# Altium PCB IMX6 DEV BOARD.PcbDoc (part 9 of 12)
Units mm, origin at the board's own origin, x right, y up, seen from the top; angles counter-clockwise.
Board outline 72.05 x 100.23 mm, 8 copper layers (Top Layer, GND 1, Inner 2, PWR 1, PWR 2, Inner 5, GND2, Bottom Layer), stack 1.463 mm thick; 691 components, 568 nets, 3028 pads, 1624 vias.
Unrouted connection lines stored in the file: 1.
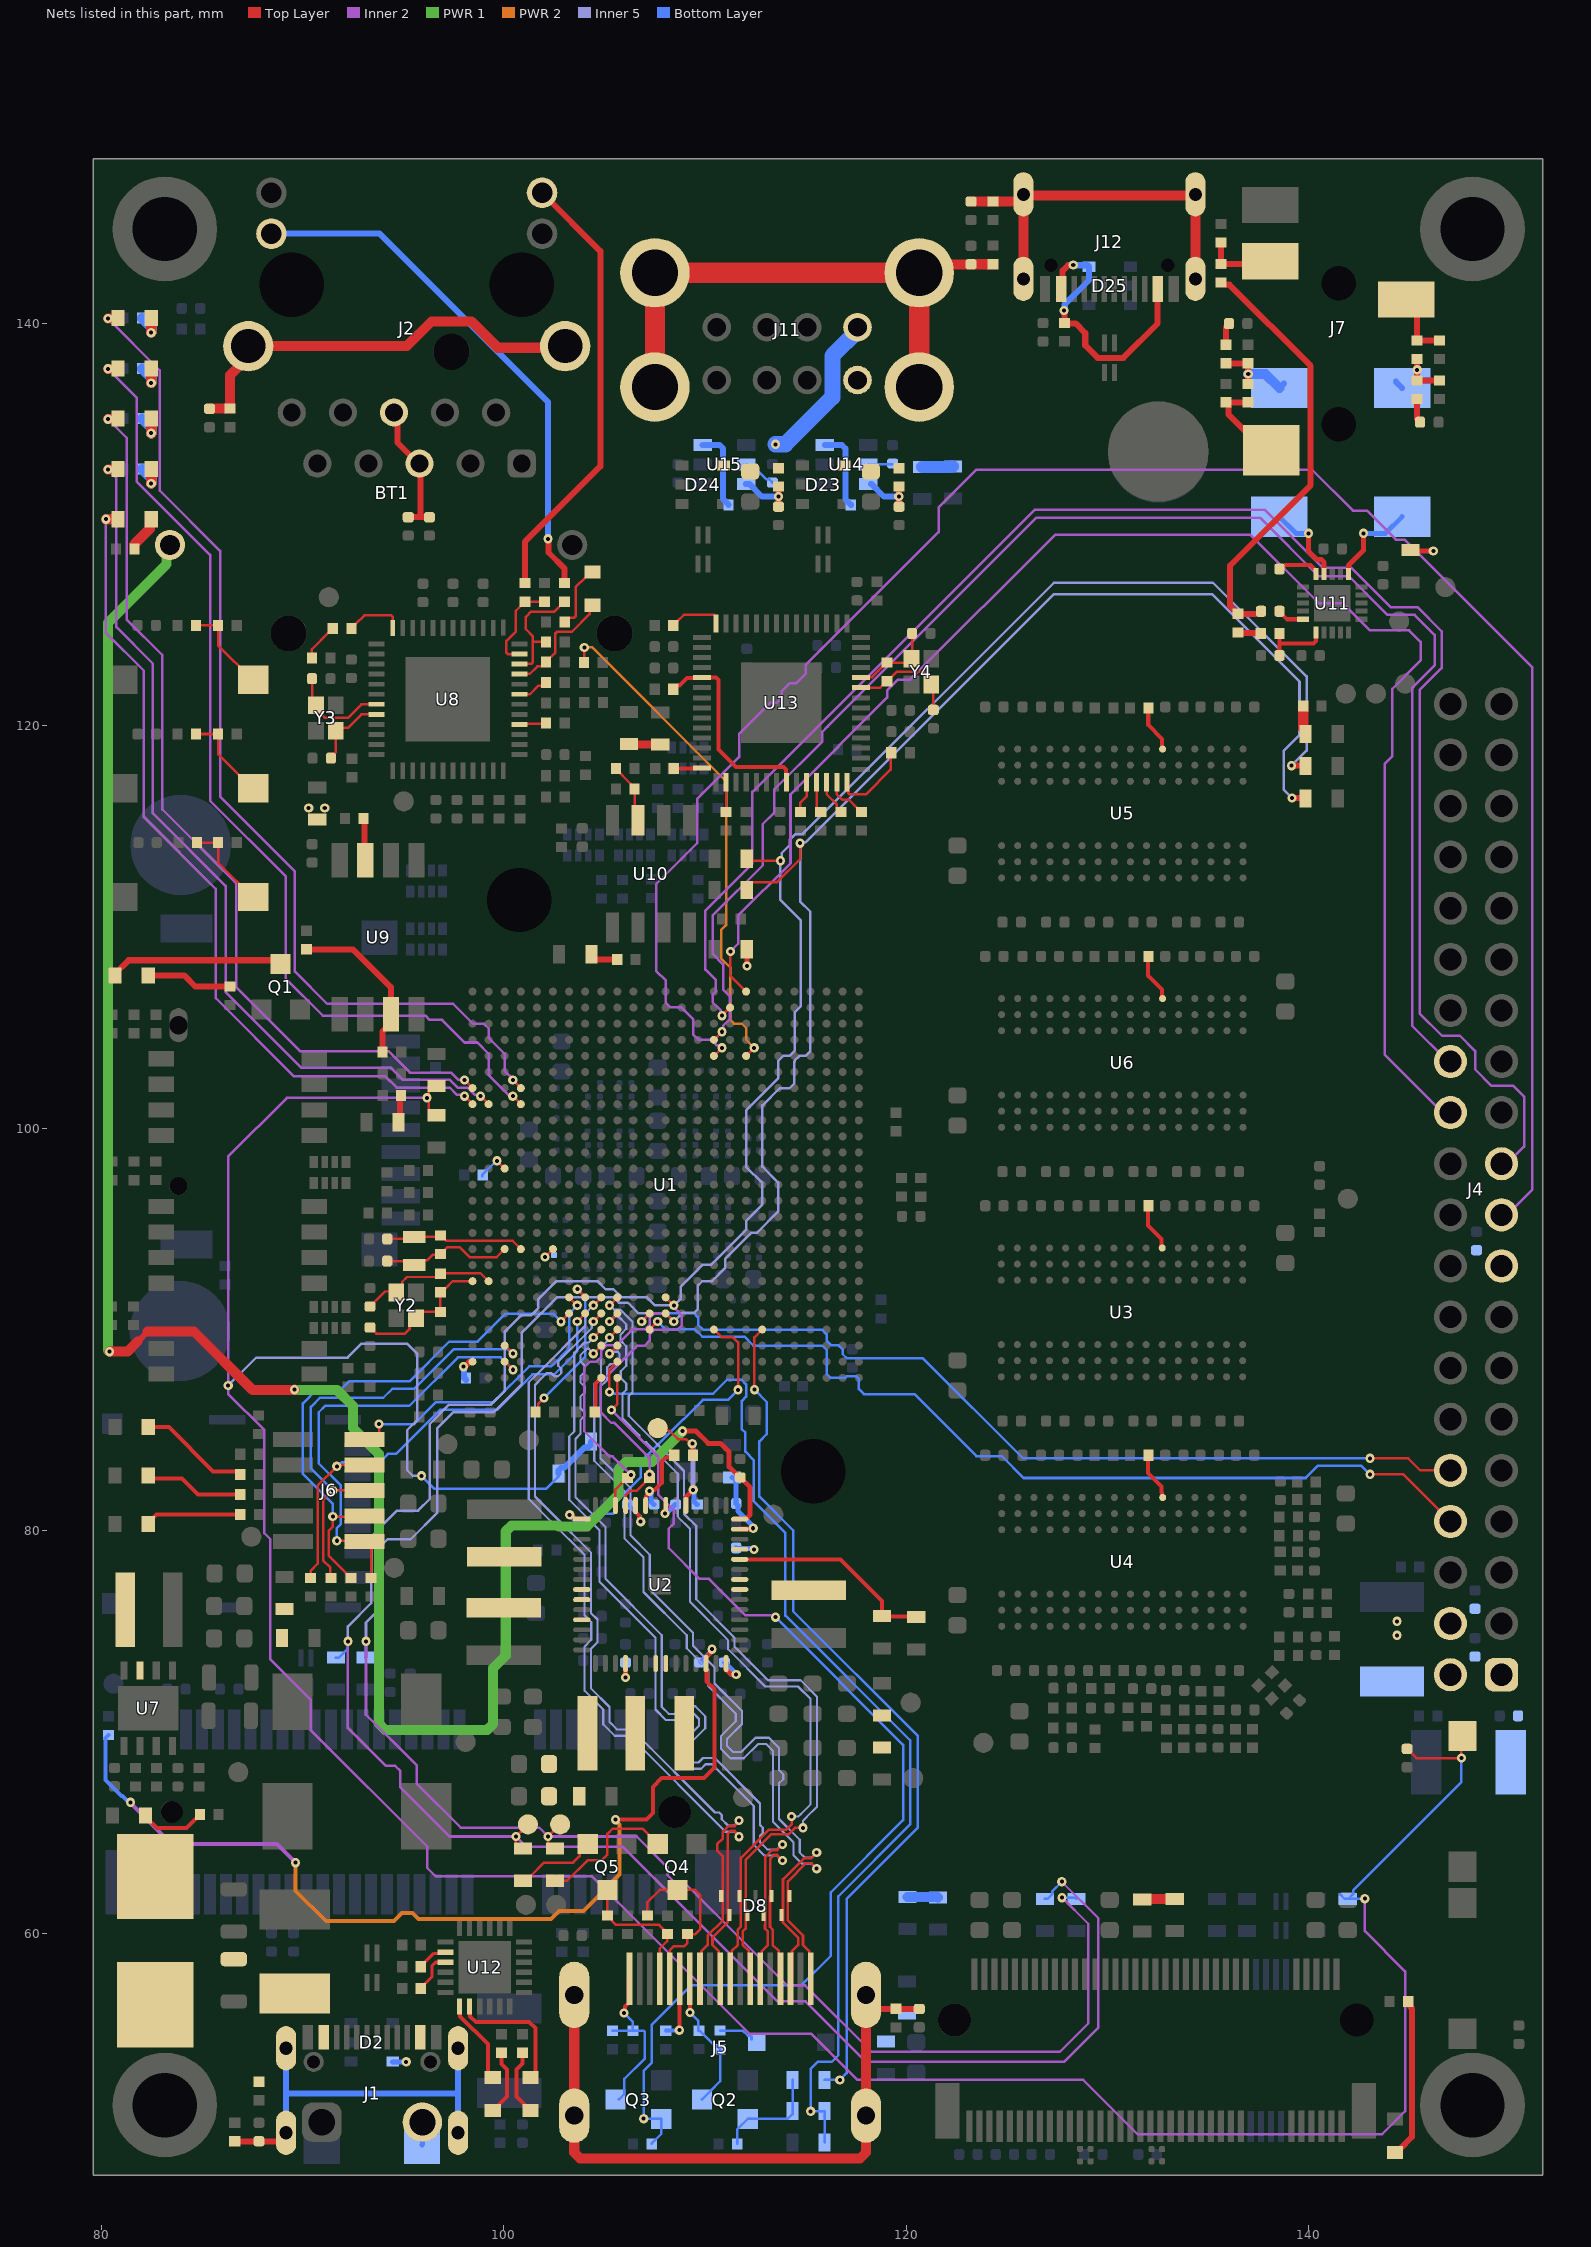
[diagram p15: the nets of this part, all layers, seen from the top]

## Via types
v1: diameter 0.46, hole 0.2, Top Layer to Bottom Layer, tented both sides, 1586 vias
v2: diameter 0.7, hole 0.4, Top Layer to Bottom Layer, 32 vias
v3: diameter 0.46, hole 0.2, Top Layer to Bottom Layer, tented bottom, 6 vias

## Nets (pads, with @x,y where several pads share a name; then routed paths per layer and width w, separated by ;. In a path a pad name is that pad's centre, name@x,y a point inside that pad or via, vN(x,y) a via of type N, cw(c..) or ccw(c..) an arc to the next point about the centre after c; other vN are vias at no path point) (continued)
GPIO_SPI_CS0: J4.24 U1.V25 | length 76.4
  Top Layer w0.125: v1(111.265,108.79) 111.265,107.579 U1.V25@112.044,106.8
  Inner 2 w0.125: v1(111.265,108.79) 111.65,109.175 111.65,110.568 114.25,113.168 114.25,116.6 119.056,121.406 119.056,121.757 119.598,122.3 120.2,122.3 127.4,129.5 137.113,129.5 140.505,126.107 141.698,126.107 143.056,124.749 145.001,124.749 145.574,124.176 145.574,123.263 144.162,121.851 144.162,118.497 143.796,118.131 143.796,103.654 146.407,101.043 147.062,101.043 J4.24@147.325,100.78
GPIO_SPI_CS1: J4.26 U1.T22 | length 77.9
  Top Layer w0.125: U1.T22@110.444,104.4 v1(110.844,104.8)
  Inner 2 w0.125: v1(110.844,104.8) 110.908,104.864 110.908,105.103 111.243,105.437 111.243,106.563 110.903,106.902 110.903,108.152 110.397,108.658 110.397,110.599 112.871,113.073 112.871,115.121 113.45,115.7 113.45,116.853 115.832,119.235 115.832,119.713 116.092,119.972 126.457,130.337 137.601,130.337 140.498,127.441 142.009,127.441 143.929,125.521 145.273,125.521 146.27,124.524 146.27,123.005 145.151,121.886 145.151,105.099 J4.26@146.93,103.32
GPIO_SPI_MISO: J4.21 U1.U24 | length 86.3
  Top Layer w0.125: v1(110.85,105.6) 110.85,105.603 111.244,105.997 U1.U24@111.244,106
  Inner 2 w0.125: v1(110.85,105.6) 110.786,105.664 110.786,105.855 110.375,106.267 110.375,106.645 110.542,106.812 110.542,107.366 110.019,107.889 110.019,110.822 112.357,113.161 112.357,116.718 126.382,130.743 137.831,130.743 140.714,127.859 142.133,127.859 144.104,125.888 145.437,125.888 146.618,124.708 146.618,122.872 145.522,121.777 145.522,105.711 146.634,104.6 147.523,104.6 148.274,103.848 148.274,102.935 149.099,102.11 150.184,102.11 150.714,101.58 150.714,99.089 J4.21@149.865,98.24
GPIO_SPI_MOSI: J4.19 U1.T21 | length 97.8
  Top Layer w0.125: U1.T21@110.444,103.6 v1(110.844,104)
  Inner 2 w0.125: v1(110.844,104) 110.753,104 110.621,104.132 110.567,104.132 110.292,104.408 109.671,104.408 109.407,104.672 109.407,105.431 108.831,106.007 108.282,106.007 108.051,106.237 108.051,107.348 107.575,107.824 107.575,112.132 109.611,114.168 109.611,116.363 111.7,118.451 111.7,119.605 113.237,121.143 113.548,121.143 113.808,121.402 113.808,121.713 114.226,122.131 114.543,122.131 115.001,122.589 115.001,123.03 121.607,129.637 121.607,130.855 123.492,132.74 140.16,132.74 142.2,130.7 142.9,130.7 144.338,129.262 144.762,129.262 151.123,122.901 151.123,96.958 J4.19@149.865,95.7
GPIO_UART_RxD: J4.10 U1.M5 | length 44.8
  Top Layer w0.125: v1(106.85,90.4) 106.85,90.403 107.244,90.797 U1.M5@107.244,90.8 ; v1@142.937,83.6 v1(143.05,83.6) 144.95,83.6 145.55,83 J4.10@147.05,83
  Bottom Layer w0.125: v1(106.85,90.4) 107.257,90.807 108.613,90.807 108.623,90.818 109.444,90.818 109.657,90.605 109.657,90.237 109.904,89.991 113.086,89.991 113.087,89.993 115.807,89.993 116.044,89.755 116.044,89.445 116.281,89.208 116.642,89.208 116.848,89.002 116.848,88.77 117.05,88.568 120.832,88.568 125.8,83.6 126.096,83.6 126.098,83.601 137.023,83.601 137.024,83.6 v1(143.05,83.6)
GPIO_UART_TxD: J4.8 U1.M4 | length 45.5
  Top Layer w0.125: U1.M4@107.244,90 107.247,90 107.647,90.4 v1(107.65,90.4) ; v1@143.183,82.8 144.71,82.8 J4.8@147.05,80.46
  Bottom Layer w0.125: v1(107.65,90.4) 108.043,90.008 108.613,90.008 108.623,90.018 109.489,90.018 109.862,89.644 111.956,89.644 112.4,89.2 115.83,89.2 116.051,88.978 116.051,87.793 116.241,87.603 116.98,87.603 117.057,87.68 117.506,87.68 117.651,87.535 117.651,87.037 117.896,86.793 120.407,86.793 123.493,83.707 124.751,83.707 125.839,82.619 128.095,82.619 139.854,82.619 140.469,83.234 142.616,83.234 v1(143.05,82.8)
HDMI_CEC: R115.1 U1.W4 | length 43.5
  Top Layer w0.125: v1(112.455,87.012) 112.455,89.611 U1.W4@112.844,90
  Bottom Layer w0.125: v1(112.455,87.012) 113.071,86.396 113.071,84.797 112.708,84.435 112.708,81.692 114.386,80.014 114.386,75.991 120.566,69.811 120.566,65.226 117.04,61.7 117.04,53.04 v1(116.7,52.7) R115.1@115.95,52.7
HDMI_CEC_IN: Q2.S R110.2 R111.1 R115.2 | length 5.5
  Bottom Layer w0.125: R111.1@111.6,49.525 111.6,50.236 Q2.S@112.125,50.761 114.111,50.761 114.35,51 R110.2@114.35,51.15 R115.2@114.35,52.7
HDMI_CEC_IN_BUFF: D12.1 J5.13 Q2.D R113.1 | length 7
  Top Layer w0.2: v1(109.25,56.05) J5.13@109.25,57.725
  Bottom Layer w0.125: v1(109.25,56.05) 109.675,55.625 D12.1@109.675,55.15 ; D12.1@109.7,55.15 109.721,55.15 110.487,54.384 110.596,54.384 R113.1@110.75,54.23 110.75,52.636 110.25,52.136 Q2.D@109.851,51.737
HDMI_CLK_N: D8.5 J5.12 U1.J5 | length 42
  Top Layer w0.13: v1(104.45,90.4) 104.45,90.403 104.844,90.797 U1.J5@104.844,90.8 ; J5.12@109.75,57.725 109.825,57.8 109.825,59.1 110.13,59.405 110.13,59.874 110.885,60.629 110.885,63.032 110.88,63.037 110.88,63.235 110.885,63.24 110.885,63.848 110.852,63.848 110.6,64.1 110.6,64.415 110.885,64.7 110.885,65.027 111.171,65.313 111.473,65.313 111.692,65.533 v1(111.692,65.593)
  Inner 5 w0.11: v1(104.45,90.4) 104.383,90.333 104.383,90.239 104.375,90.231 104.375,90.069 102.703,88.397 102.703,88.197 102.85,88.05 102.85,87.833 102.696,87.678 102.522,87.678 102.368,87.832 102.137,87.832 101.903,87.597 101.55,87.244 101.55,81.7 102.491,80.759 104.328,78.922 104.328,75.914 104.659,75.583 104.659,74.45 104.328,74.119 104.328,72.169 105.257,71.239 105.257,70.501 105.645,70.113 106.384,70.113 110.501,65.995 110.712,65.995 110.835,65.872 110.835,65.661 111.148,65.348 111.447,65.348 v1(111.692,65.593)
HDMI_CLK_P: D8.6 J5.10 U1.J6 | length 42
  Top Layer w0.13: v1(104.45,91.2) 104.45,91.203 104.844,91.597 U1.J6@104.844,91.6 ; J5.10@110.75,57.725 110.675,57.8 110.675,59.1 110.37,59.405 110.37,59.775 111.125,60.53 111.125,63.131 ; 111.12,63.136 111.125,63.131 ; v1(111.692,64.793) 111.692,64.853 111.473,65.073 111.27,65.073 111.125,64.928 111.125,63.131
  Inner 5 w0.11: v1(104.45,91.2) 104.065,90.815 104.065,90.198 101.684,87.816 101.24,87.373 101.24,81.572 102.362,80.449 104.018,78.794 104.018,75.785 104.349,75.455 104.349,74.578 104.018,74.247 104.018,73.5 104.018,72.04 104.947,71.111 104.947,70.373 105.517,69.803 106.255,69.803 111.02,65.038 111.447,65.038 v1(111.692,64.793)
HDMI_D0_N: D8.4 J5.9 U1.K5 | length 42
  Top Layer w0.13: v1(105.25,90.4) 105.25,90.403 105.644,90.797 U1.K5@105.644,90.8 ; J5.9@111.25,57.725 111.325,57.8 111.325,59.1 111.635,59.41 111.635,60.174 111.78,60.319 111.78,63.739 113.185,65.144 114.046,65.144 114.305,65.404 v1(114.305,65.8)
  Inner 5 w0.11: v1(105.25,90.4) 105.523,90.673 105.673,90.673 106.09,90.256 106.09,90.035 105.801,89.746 105.801,89.457 106.09,89.168 106.09,88.198 105.813,87.921 105.813,87.59 106.09,87.313 106.09,87 105.905,86.815 105.905,85.581 106.735,84.751 106.735,84.626 106.96,84.4 107.086,84.4 108.65,82.836 108.65,80.7 109.25,80.1 109.25,76.462 111.15,74.562 111.15,74.112 113.002,72.261 114.625,72.261 115.25,71.635 115.25,66.4 114.754,65.904 114.754,65.903 114.651,65.8 v1(114.305,65.8)
HDMI_D0_P: D8.7 J5.7 U1.K6 | length 42
  Top Layer w0.13: v1(105.25,91.2) 105.25,91.203 105.644,91.597 U1.K6@105.644,91.6 ; J5.7@112.25,57.725 112.175,57.8 112.175,59.1 111.875,59.4 111.875,60.075 112.02,60.22 112.02,63.64 113.285,64.904 114.145,64.904 114.475,65.234 v1(114.871,65.234)
  Inner 5 w0.11: v1(105.25,91.2) 105.272,91.2 105.489,90.983 105.801,90.983 106.4,90.384 106.4,87 106.4,86.872 106.215,86.686 106.215,85.709 108.96,82.964 108.96,80.828 109.56,80.228 109.56,76.59 111.46,74.69 111.46,74.241 113.13,72.571 114.753,72.571 115.56,71.764 115.56,66.272 115.064,65.776 115.064,65.775 114.871,65.581 v1(114.871,65.234)
HDMI_D1_N: D8.8 J5.6 U1.J3 | length 42.1
  Top Layer w0.13: v1(104.45,88.8) 104.45,88.803 104.844,89.197 U1.J3@104.844,89.2 ; J5.6@112.75,57.725 112.825,57.8 112.825,59.1 113.125,59.4 113.125,60.075 112.98,60.22 112.98,60.419 112.994,60.432 112.994,62.9 112.998,62.904 112.998,63.793 113.329,64.124 113.585,64.124 113.849,64.388 v1(113.849,64.404)
  Inner 5 w0.11: v1(104.45,88.8) 104.45,88.823 104.228,89.045 104.136,89.045 103.806,88.715 103.806,88.416 104.009,88.213 104.009,87.878 103.806,87.675 103.806,87.38 104.024,87.162 104.024,86.88 103.806,86.663 103.806,86.094 104.014,85.886 104.014,85.699 103.806,85.492 103.806,85.1 103.806,84.801 103.565,84.56 103.565,81.661 105.06,80.166 105.06,77.6 107.85,74.81 107.85,71.238 108.194,70.894 108.494,70.894 108.872,71.272 109.513,71.272 110.014,70.771 110.014,70.176 108.997,69.159 108.997,68.853 109.372,68.479 109.679,68.479 109.9,68.7 110.478,68.7 112.733,66.444 112.733,65.367 112.869,65.231 112.869,64.969 112.733,64.833 112.733,64.517 113.091,64.159 113.604,64.159 v1(113.849,64.404)
HDMI_D1_P: D8.2 J5.4 U1.J4 | length 42.1
  Top Layer w0.13: v1(104.45,89.6) 104.45,89.603 104.844,89.997 U1.J4@104.844,90 ; D8.2@113.234,61.839 113.234,60.333 113.22,60.319 113.365,60.174 113.365,59.41 113.675,59.1 113.675,57.8 J5.4@113.75,57.725 ; D8.2@113.242,61.839 113.242,62.9 113.238,62.904 113.238,63.693 113.428,63.884 113.585,63.884 113.849,63.62 v1(113.849,63.604)
  Inner 5 w0.11: v1(104.45,89.6) 104.45,89.577 104.228,89.355 104.008,89.355 103.496,88.843 103.496,85.1 103.496,84.93 103.255,84.688 103.255,81.532 104.75,80.037 104.75,77.472 107.54,74.682 107.54,71.11 108.066,70.584 108.623,70.584 109.001,70.962 109.384,70.962 109.704,70.642 109.704,70.304 108.687,69.287 108.687,68.725 109.244,68.169 109.807,68.169 110.028,68.39 110.349,68.39 112.423,66.316 112.423,64.388 112.962,63.849 113.604,63.849 v1(113.849,63.604)
HDMI_D2_N: D8.9 J5.3 U1.K3 | length 42.1
  Top Layer w0.13: v1(105.25,88.8) 105.25,88.803 105.644,89.197 U1.K3@105.644,89.2 ; J5.3@114.25,57.725 114.325,57.8 114.325,59.1 114.63,59.405 114.63,59.775 113.875,60.53 113.875,62.668 114.922,63.714 115.264,63.714 v1(115.55,64)
  Inner 5 w0.11: v1(105.25,88.8) 105.317,88.867 105.465,88.867 105.489,88.891 105.658,88.891 105.75,88.799 105.75,88.508 105.528,88.286 105.306,88.286 105.145,88.125 105.145,87.495 104.8,87.15 104.8,83.61 106.303,82.107 106.303,79.757 107.25,78.81 107.25,77.081 109.4,74.931 109.4,74.285 110.472,73.213 110.472,72.408 111.834,71.046 111.834,70.396 111.1,69.662 111.1,69.3 111.4,69 111.8,69 112.512,69.712 113.179,69.712 113.683,69.208 113.683,68.093 113.885,67.891 113.885,67.649 113.683,67.447 113.683,65.669 114.708,64.644 114.708,63.998 114.951,63.755 115.305,63.755 v1(115.55,64)
HDMI_D2_P: D8.1 J5.1 U1.K4 | length 42
  Top Layer w0.13: v1(105.25,89.6) 105.25,89.603 105.644,89.997 U1.K4@105.644,90 ; J5.1@115.25,57.725 115.175,57.8 115.175,59.1 114.87,59.405 114.87,59.874 114.115,60.629 114.115,62.568 115.021,63.474 115.276,63.474 v1(115.55,63.2)
  Inner 5 w0.11: v1(105.25,89.6) 105.25,89.547 104.835,89.132 104.835,87.624 104.49,87.279 104.49,86.8 104.49,83.482 105.993,81.979 105.993,79.628 106.94,78.682 106.94,76.953 109.09,74.803 109.09,74.157 110.162,73.084 110.162,72.279 111.524,70.917 111.524,70.524 110.79,69.79 110.79,69.172 111.272,68.69 111.928,68.69 112.641,69.402 113.05,69.402 113.373,69.08 113.373,65.541 114.398,64.516 114.398,63.87 114.823,63.445 115.305,63.445 v1(115.55,63.2)
HDMI_DDCCEC: R110.1 R117.2 U1.K2 | length 53.3
  Top Layer w0.125: v1(105.25,86.9) 105.25,88.006 U1.K2@105.644,88.4
  Bottom Layer w0.125: v1(105.25,86.9) 105.314,86.836 105.462,86.836 105.491,86.807 110.402,86.807 111.097,87.502 111.82,87.502 112.047,87.275 112.047,86.66 111.837,86.45 111.837,85.039 112.005,84.872 112.005,83.928 112.421,83.512 112.421,81.471 114,79.891 114,75.784 120.2,69.584 120.2,65.4 116.629,61.829 116.629,53.929 116.3,53.6 115.6,53.6 115.251,53.251 v1(115.251,51.137) 115.937,51.137 R110.1@115.95,51.15 R117.2@115.95,49.6
HDMI_HPD: Q3.S R112.1 U1.K1 | length 55.1
  Top Layer w0.125: v1(105.35,86) 105.35,86.003 105.644,86.296 U1.K1@105.644,87.6
  Inner 2 w0.125: v1(105.35,86) 107.665,83.685 107.665,81.808 108.437,81.037 108.437,80.337 108.2,80.1 108.2,79.131 109.729,77.602 110.205,77.602 111.998,75.809 113.301,75.809 113.409,75.7 v1(113.5,75.7)
  Bottom Layer w0.125: R112.1@107.35,49.525 107.35,49.546 107.825,50.021 Q3.S@107.825,50.761 107.811,50.775 v1(106.95,50.775) 106.95,53.151 107.342,53.543 107.342,55.434 109.308,57.4 114.78,57.4 116.25,58.87 116.25,62.018 119.851,65.618 119.851,69.349 v1(113.5,75.7)
HDMI_HPD_BUFF: D13.1 J5.19 Q3.D R119.2 | length 8.4
  Top Layer w0.2: v1(105.975,56.025) 106.025,56.075 106.025,56.34 106.21,56.525 106.21,57.685 J5.19@106.25,57.725
  Bottom Layer w0.125: R119.2@105.4,55.15 D13.1@106.425,55.15 ; Q3.D@105.725,51.736 105.987,51.998 105.987,52.75 107.01,53.772 107.01,55.077 106.937,55.15 D13.1@106.425,55.15 ; v1(105.975,56.025) 106.413,55.587 106.413,55.162 D13.1@106.425,55.15
HDMI_I2C_SCL: Q4.S R26.2 | length 7.1
  Top Layer w0.125: R26.2@102.55,62.6 103.15,62.6 104.18,63.63 104.883,63.63 105.15,63.897 105.15,64.927 105.414,65.191 106.884,65.191 Q4.S@107.65,64.425
HDMI_I2C_SCL_BUFF: D11.1 J5.15 Q4.D R120.1 | length 9
  Top Layer w0.125: R120.1@107.135,60.87 107.135,61.535 107.75,62.15 Q4.D@108.625,62.15 109.5,62.15 109.775,61.875 109.775,60.2 109.525,59.95 D11.1@109.125,59.95 109.125,59.511 108.95,59.336 108.436,59.336 108.25,59.15 J5.15@108.25,57.725
HDMI_I2C_SDA: Q5.S R25.2 | length 4.1
  Top Layer w0.125: R25.2@100.95,62.6 101.1,62.6 101.337,62.837 101.337,62.842 101.995,63.5 103.444,63.5 103.764,63.82 103.764,64.014 Q5.S@104.175,64.425
HDMI_I2C_SDA_BUFF: D10.1 J5.16 Q5.D R121.1 | length 7.1
  Top Layer w0.125: Q5.D@105.15,62.15 R121.1@105.15,60.87 105.171,60.87 105.362,60.679 105.362,60.618 105.574,60.406 107.716,60.406 107.92,60.202 107.92,60.142 108.111,59.95 D10.1@108.125,59.95 ; J5.16@107.75,57.725 107.75,59.225 108.125,59.6 D10.1@108.125,59.95 ; D10.1@108.132,59.95 D10.1@108.125,59.95
HDMI_RESREF: R116.2 U1.J1 | length 1.8
  Top Layer w0.2: R116.2@104.525,85.9 104.55,85.925 104.55,87.306 U1.J1@104.844,87.6
I2C1_SCL: R16.1 R18.1 R20.1 R22.1 R24.1 R26.1 TP2.1 U1.N5 U2.54 | length 173.6
  Top Layer w0.125: R26.1@102.55,64.2 102.437,64.2 102.2,64.438 v1(102.2,64.8) 102.872,65.472 TP2.1@103.097,65.472 ; U2.54@105.55,81.251 105.55,82.054 106.121,82.625 R16.1@106.142,82.625 ; U1.N5@108.044,90.8 108.047,90.8 108.447,90.4 v1(108.45,90.4) ; R20.1@112.075,111.85 112.075,112 112.312,112.238 113.587,112.238 114.726,113.376 v1(114.726,114.176)
  Top Layer w0.3: v1(139.175,116.425) 139.825,116.425 R24.1@139.85,116.4
  Inner 2 w0.125: v1(93.15,74.5) 93.15,70.85 95.681,68.319 95.681,67.419 97.861,65.239 101.761,65.239 v1(102.2,64.8) 106.606,64.8 108.137,63.269 108.137,62.876 108.511,62.501 108.988,62.501 114.089,57.4 114.978,57.4 118.278,54.1 127.643,54.1 129.05,55.507 129.05,60.462 v1(127.75,61.761) ; v1(106.325,82.775) 105.405,83.695 105.25,83.695 104,84.945 104,88.105 104.295,88.4 104.605,88.4 104.846,88.641 104.846,88.951 105.102,89.208 105.6,89.208 106.4,90.007 107.013,90.007 107.243,90.237 107.243,90.564 107.478,90.8 108.05,90.8 v1(108.45,90.4)
  Inner 5 w0.125: v1(93.15,74.5) 93.15,75.428 93.85,76.128 93.85,79.2 94.223,79.573 95.373,79.573 96.7,80.9 96.7,85.1 97.483,85.883 99.483,85.883 100.9,87.3 100.9,89.846 102.654,91.6 105.461,91.6 105.726,91.336 106.159,91.336 106.687,90.807 106.843,90.807 106.85,90.8 108.05,90.8 v1(108.45,90.4) 108.878,90.828 109.463,90.828 109.649,91.014 109.649,92.185 109.864,92.4 110.35,92.4 111,93.05 111,93.505 112.31,94.815 112.595,94.815 113.636,95.855 113.636,97.305 112.85,98.091 112.85,101.137 113.705,101.993 114.192,101.993 114.436,102.237 114.436,103.3 114.451,103.315 114.451,103.363 114.689,103.6 114.999,103.6 115.236,103.837 115.236,110.764 114.726,111.274 v1(114.726,114.176) 114.775,114.225 115.017,114.225 127.343,126.55 135.2,126.55 139.55,122.2 139.55,119.55 138.758,118.758 138.758,116.842 v1(139.175,116.425)
  Bottom Layer w0.125: R18.1@93.125,73.696 93.15,73.721 v1(93.15,74.5) ; v1(127.75,61.761) 128.407,61.761 R22.1@128.468,61.7
I2C1_SDA: R15.1 R17.1 R19.1 R21.1 R23.1 R25.1 TP3.1 U1.N6 U2.53 | length 174.8
  Top Layer w0.125: R25.1@100.95,64.2 100.837,64.2 100.6,64.438 v1(100.6,64.8) TP3.1@101.2,65.4 ; U2.53@106.05,81.251 106.05,81.754 106.271,81.975 106.6,81.975 107.037,82.413 107.037,82.434 107.229,82.625 R15.1@107.25,82.625 ; U1.N6@108.044,91.6 108.047,91.6 108.447,91.2 v1(108.45,91.2) ; R19.1@112.075,113.4 112.175,113.3 v1(113.75,113.3)
  Top Layer w0.3: v1(139.15,118.025) 139.825,118.025 R23.1@139.85,118
  Inner 2 w0.125: v1(92.25,74.5) 92.25,70.198 94.143,68.305 94.603,68.305 94.856,68.052 94.856,67.244 97.3,64.8 v1(100.6,64.8) 101.1,64.3 105.9,64.3 113.6,56.6 115,56.6 118,53.6 127.85,53.6 129.55,55.3 129.55,60.736 v1(127.734,62.552) ; v1(107.25,82.8) 107.25,83.604 105.498,85.355 105.34,85.355 104.827,85.868 104.827,87.388 106.643,89.204 107.009,89.204 107.25,89.445 107.25,89.755 107.487,89.993 108.643,89.993 108.85,90.2 108.85,90.704 108.604,90.95 108.604,90.955 108.45,91.109 v1(108.45,91.2)
  Inner 5 w0.125: v1(92.25,74.5) 92.25,75.245 93.4,76.395 93.4,79.7 94.7,81 95.742,81 96.319,81.577 96.319,85.302 97.281,86.264 99.366,86.264 100.057,86.956 100.057,89.908 100.85,90.7 101.35,90.7 101.7,91.05 101.7,91.49 102.615,92.405 104.65,92.405 105.055,92 105.45,92 105.839,91.611 107.094,91.611 107.505,91.2 v1(108.45,91.2) 108.802,91.552 108.802,92.134 109.875,93.207 110.298,93.207 112.057,94.967 112.057,95.418 112.85,96.21 112.85,97.279 112.043,98.087 112.043,100.893 113.65,102.5 113.65,103.1 113.651,103.101 113.651,103.363 113.889,103.6 114.199,103.6 114.451,103.852 114.451,105.763 114.75,106.061 114.75,110.35 113.75,111.35 v1(113.75,113.3) 113.814,113.364 113.814,113.679 114.213,114.078 114.213,114.336 114.504,114.627 114.847,114.627 127.337,127.117 135.25,127.117 139.9,122.467 139.9,118.775 v1(139.15,118.025)
  Bottom Layer w0.125: R17.1@91.65,73.696 91.8,73.696 92.25,74.146 v1(92.25,74.5) ; R21.1@126.893,61.7 127.032,61.7 127.27,61.937 127.27,62.088 v1(127.734,62.552)
INTB: R3.1 U1.T4 U2.1 | length 16.5
  Top Layer w0.125: U1.T4@110.444,90 110.837,89.607 111.397,89.607 111.644,89.36 111.644,87.007 v1(111.637,87)
  Top Layer w0.25: v1(103.273,80.79) 103.313,80.75 103.398,80.75 103.573,80.575 U2.1@103.874,80.575
  Bottom Layer w0.125: R3.1@103.95,80.375 103.971,80.375 104.162,80.567 104.162,80.571 104.445,80.853 105.447,80.853 105.6,81.007 105.6,81.456 106.796,82.652 106.796,83.418 108.928,85.55 108.95,85.55 109.9,86.5 111.138,86.5 v1(111.637,87)
  Bottom Layer w0.25: v1(103.273,80.79) 103.559,80.504 103.821,80.504 R3.1@103.95,80.375
JTAG_MOD: R126.2 U1.H6 | length 7.9
  Top Layer w0.125: R126.2@101.575,85.9 101.705,86.03 101.705,86.305 v1(102,86.6) ; v1(103.653,92.005) 103.653,91.998 104.044,91.607 U1.H6@104.044,91.6
  Bottom Layer w0.125: v1@101.989,86.589 v1(102,86.6) 104.043,88.643 104.043,91.615 v1(103.653,92.005)
JTAG_nTRST: J6.1 R122.1 U1.C2 | length 21.9
  Top Layer w0.125: v1(91.7,79.5) 93.035,79.5 J6.1@93.075,79.46 93.087,79.46 93.4,79.148 R122.1@93.4,77.65 ; U1.C2@100.048,88.4 100.051,88.4 100.451,88 v1(100.454,88)
  Bottom Layer w0.125: v1(91.7,79.5) 91.7,80.128 91.897,80.325 91.897,82.253 90.8,83.35 90.8,85.886 91.114,86.2 95.3,86.2 97.716,88.616 99.838,88.616 v1(100.454,88)
JTAG_TCK: J6.7 R125.1 U1.H5 | length 23.8
  Top Layer w0.125: R125.1@90.4,77.65 90.406,77.656 90.406,78.018 90.745,78.357 90.745,82.245 v1(91.7,83.2) ; v1@91.77,83.27 J6.7@93.075,83.27 ; v1(103.65,90.4) 103.65,90.403 104.044,90.797 U1.H5@104.044,90.8
  Bottom Layer w0.125: v1(91.7,83.2) 91.749,83.2 91.941,83.392 93.803,83.392 94.234,83.823 94.649,83.823 96.832,86.006 99.661,86.006 101.425,87.769 102.508,87.769 103.65,88.912 v1(103.65,90.4)
JTAG_TDI: J6.3 R123.1 U1.G5 | length 26.9
  Top Layer w0.125: R123.1@92.4,77.65 92.379,77.65 92.187,77.841 92.187,77.871 91.307,78.752 91.307,80.007 91.5,80.2 v1(91.5,80.7) 93.045,80.7 J6.3@93.075,80.73 ; v1(102.839,90.391) 102.839,90.393 103.244,90.798 U1.G5@103.244,90.8